# Allegro board SDHCalFEB.brd (continued)
## Routing (per net, layer and track width the routed paths; a pad name or vN(x,y) marks a point on that pad's centre or on a via; arc(x,y) is an arc through that point) (continued)
ANALOGIN24_ASIC_A3: length 49.5
  TOP w0.127: C198.2 v2(169.72,309.22) ; v2(125.58,303.37) U195.12
  GND1 w0.127: v3(126.31,303.37) v2(125.58,303.37) ; v2(169.72,309.22) v3(168.99,309.22)
  SIG3 w0.127: v3(126.31,303.37) 129.84,303.37 133.76,307.29 154.91,307.29 155.55,307.92 167.69,307.92 v3(168.99,309.22)
ANALOGIN24_ASIC_A4: length 49.4
  TOP w0.127: U260.12 v2(42.38,303.37) ; v2(87.22,309.22) C285.2
  GND1 w0.127: v3(43.12,303.37) v2(42.38,303.37) ; v2(87.22,309.22) v3(86.49,309.22)
  SIG3 w0.127: v3(43.12,303.37) 69.26,303.37 73.84,307.95 85.22,307.95 v3(86.49,309.22)
ANALOGIN24_ASIC_B1: length 52.2
  TOP w0.127: v2(286.82,223.36) U325.12 ; C372.2 v2(332.16,227.23)
  GND1 w0.127: v2(286.82,223.36) v3(287.55,223.36) ; v2(332.16,227.23) v3(332.16,226.49)
  SIG3 w0.127: v3(287.55,223.36) 290.81,226.62 313.74,226.62 314.38,227.25 331.39,227.25 v3(332.16,226.49)
ANALOGIN24_ASIC_B5: length 47.8
  TOP w0.127: v2(204.77,223.36) U390.12 ; C459.2 v2(248.01,229.21)
  GND1 w0.127: v3(205.51,223.36) v2(204.77,223.36) ; v2(248.01,229.21) v3(247.27,229.21)
  SIG3 w0.127: v3(247.27,229.21) 235.67,229.21 233.73,227.28 229.36,227.28 225.44,223.36 v3(205.51,223.36)
ANALOGIN24_ASIC_B6: length 47.8
  TOP w0.127: C546.2 v2(168,229.24) ; v2(124.75,223.36) U455.12
  GND1 w0.127: v2(168,229.24) v3(167.26,229.24) ; v2(124.75,223.36) v3(125.49,223.36)
  SIG3 w0.127: v3(167.26,229.24) 154.61,229.24 153.92,228.55 145.47,228.55 140.28,223.36 v3(125.49,223.36)
ANALOGIN24_ASIC_B7: length 47.8
  TOP w0.127: v2(44.74,223.36) U520.12 ; C633.2 v2(87.86,229.19)
  GND1 w0.127: v3(45.48,223.36) v2(44.74,223.36) ; v2(87.86,229.19) v3(87.13,229.19)
  SIG3 w0.127: v3(45.48,223.36) 62.91,223.36 68.12,228.57 73.89,228.57 74.5,229.19 v3(87.13,229.19)
ANALOGIN24_ASIC_C1: length 47.5
  TOP w0.127: v2(327.96,148.54) C720.2 ; v2(284.78,143.35) U585.12
  GND1 w0.127: v3(285.51,143.35) v2(284.78,143.35) ; v2(327.96,148.54) v3(327.23,148.54)
  SIG3 w0.127: v3(285.51,143.35) 304.82,143.35 309.37,147.9 314.81,147.9 315.45,148.54 v3(327.23,148.54)
ANALOGIN24_ASIC_C2: length 46.5
  TOP w0.127: v2(204.76,143.35) U650.12 ; v2(246.71,149.2) C807.2
  GND1 w0.127: v2(204.76,143.35) v3(205.5,143.35) ; v2(246.71,149.2) v3(245.97,149.2)
  SIG3 w0.127: v3(245.97,149.2) 245.43,149.2 245.42,149.2 234.7,149.2 234.04,148.54 224.74,148.54 219.55,143.35 v3(205.5,143.35)
ANALOGIN24_ASIC_C3: length 46.5
  TOP w0.127: C894.2 v2(166.58,149.15) ; v2(124.75,143.35) U715.12
  GND1 w0.127: v3(125.49,143.35) v2(124.75,143.35) ; v2(166.58,149.15) v3(165.84,149.15)
  SIG3 w0.127: v3(125.49,143.35) 141.57,143.35 146.76,148.54 153.75,148.54 154.36,149.15 v3(165.84,149.15)
ANALOGIN24_ASIC_C4: length 46.5
  TOP w0.127: v2(46.18,143.35) U780.12 ; C981.2 v2(86.69,149.23)
  GND1 w0.127: v2(46.18,143.35) v3(46.91,143.35) ; v2(86.69,149.23) v3(85.95,149.23)
  SIG3 w0.127: v3(85.95,149.23) 74.78,149.23 74.07,148.51 66.7,148.51 61.54,143.35 v3(46.91,143.35)
ANALOGIN24_ASIC_D1: length 49
  TOP w0.127: C1068.2 v2(328.02,68.47) ; v2(286.05,63.34) U845.12
  GND1 w0.127: v3(286.79,63.34) v2(286.05,63.34) ; v2(328.02,68.47) v3(328.75,68.47)
  SIG3 w0.127: v3(286.79,63.34) 290,66.55 314.27,66.55 316.19,68.47 v3(328.75,68.47)
ANALOGIN24_ASIC_D2: length 49
  TOP w0.127: C1155.2 v2(249.2,69.18) ; v2(206.04,63.34) U910.12
  GND1 w0.127: v3(206.78,63.34) v2(206.04,63.34) ; v2(249.2,69.18) v3(248.46,69.18)
  SIG3 w0.127: v3(206.78,63.34) 206.78,63.35 210.64,67.21 234.19,67.21 236.16,69.18 v3(248.46,69.18)
ANALOGIN24_ASIC_D3: length 49
  TOP w0.127: C1242.2 v2(169.19,69.18) ; v2(125.78,63.34) U975.12
  GND1 w0.127: v2(169.19,69.18) v3(168.45,69.18) ; v3(126.52,63.34) v2(125.78,63.34)
  SIG3 w0.127: v3(168.45,69.18) 156.65,69.18 154.71,67.23 130.43,67.23 126.53,63.34 v3(126.52,63.34)
ANALOGIN24_ASIC_D4: length 49
  TOP w0.127: v2(46,63.34) U1040.12 ; C1329.2 v2(89.2,69.19)
  GND1 w0.127: v3(46.74,63.34) v2(46,63.34) ; v2(89.2,69.19) v3(88.47,69.19)
  SIG3 w0.127: v3(88.47,69.19) 75.62,69.19 73.66,67.23 50.67,67.23 46.78,63.34 v3(46.74,63.34)
ANALOGIN25_ASIC_A1: length 8.9
  TOP w0.127: U65.13 282.6,302.72 281.49,303.83 278.26,303.83 276.54,305.55 C25.2
ANALOGIN25_ASIC_A2: length 8.9
  TOP w0.127: C112.2 196.76,305.07 198.48,303.35 202.31,303.35 202.95,302.72 U130.13
ANALOGIN25_ASIC_A3: length 10.1
  TOP w0.127: U195.13 121.59,302.72 119.96,304.34 117.37,304.34 115.51,306.21 C199.2
ANALOGIN25_ASIC_A4: length 27.7
  TOP w0.127: U260.13 36.48,302.72 C286.2
ANALOGIN25_ASIC_B1: length 10.7
  TOP w0.127: U325.13 282.39,222.71 281.08,224.03 278.99,224.03 276.69,226.34 C373.2
ANALOGIN25_ASIC_B5: length 8.8
  TOP w0.127: C460.2 196.68,225.37 198.04,224 201.19,224 202.49,222.71 203.58,222.71 U390.13
ANALOGIN25_ASIC_B6: length 10.3
  TOP w0.127: U455.13 123.57,222.71 122.3,222.71 121.01,224 117.91,224 115.5,226.41 C547.2
ANALOGIN25_ASIC_B7: length 24.5
  TOP w0.127: U520.13 36.56,222.71 24.19,235.08 C634.2
ANALOGIN25_ASIC_C1: length 9.4
  TOP w0.127: U585.13 282.06,142.7 280.57,144.2 277.8,144.2 276.23,145.77 C721.2
ANALOGIN25_ASIC_C2: length 9.2
  TOP w0.127: U650.13 202.23,142.7 200.79,144.15 197.56,144.15 196.24,145.46 C808.2
ANALOGIN25_ASIC_C3: length 9.1
  TOP w0.127: C895.2 116.49,145.36 117.6,144.25 120.37,144.25 121.92,142.7 U715.13
ANALOGIN25_ASIC_C4: length 24
  TOP w0.127: U780.13 34.22,142.7 23.86,153.06 C982.2
ANALOGIN25_ASIC_D1: length 9
  TOP w0.127: U845.13 282.55,62.69 280.8,64.44 276.73,64.44 C1069.2
ANALOGIN25_ASIC_D2: length 9.4
  TOP w0.127: U910.13 202.11,62.69 200.51,64.29 197.26,64.29 196.13,65.42 C1156.2
ANALOGIN25_ASIC_D3: length 9.2
  TOP w0.127: C1243.2 116.4,65.44 117.47,64.36 120.68,64.36 122.35,62.69 U975.13
ANALOGIN25_ASIC_D4: length 10.3
  TOP w0.127: U1040.13 36.73,62.69 35.67,63.75 C1330.2
ANALOGIN26_ASIC_A1: length 2.5
  TOP w0.127: U65.14 281.86,302.07 281.72,302.21 C26.2
ANALOGIN26_ASIC_A2: length 2.3
  TOP w0.127: U130.14 202.59,302.07 C113.2
ANALOGIN26_ASIC_A3: length 5.1
  TOP w0.127: C200.2 119.75,302.98 120.66,302.07 U195.14
ANALOGIN26_ASIC_A4: length 15.1
  TOP w0.127: C287.2 34.34,302.07 U260.14
ANALOGIN26_ASIC_B1: length 4.3
  TOP w0.127: U325.14 281.29,222.06 280.51,221.28 C374.2
ANALOGIN26_ASIC_B5: length 3.9
  TOP w0.127: U390.14 202.59,222.06 202.43,222.22 C461.2
ANALOGIN26_ASIC_B6: length 3.8
  TOP w0.127: C548.2 121.01,222.53 121.48,222.06 U455.14
ANALOGIN26_ASIC_B7: length 27.5
  TOP w0.127: C635.2 21.52,235.1 34.57,222.06 U520.14
ANALOGIN26_ASIC_C1: length 3.9
  TOP w0.127: C722.2 282.6,142.06 282.6,142.05 U585.14
ANALOGIN26_ASIC_C2: length 4
  TOP w0.127: C809.2 200.84,142.31 201.1,142.05 U650.14
ANALOGIN26_ASIC_C3: length 4
  TOP w0.127: U715.14 121.2,142.05 120.96,142.29 C896.2
ANALOGIN26_ASIC_C4: length 27
  TOP w0.127: C983.2 21.17,153.03 32.15,142.05 U780.14
ANALOGIN26_ASIC_D1: length 3.9
  TOP w0.127: U845.14 282.23,62.04 282.03,62.24 C1070.2
ANALOGIN26_ASIC_D2: length 3.6
  TOP w0.127: C1157.2 201.08,62.4 201.43,62.04 U910.14
ANALOGIN26_ASIC_D3: length 3.4
  TOP w0.127: C1244.2 121.35,62.32 121.63,62.04 U975.14
ANALOGIN26_ASIC_D4: length 10.2
  TOP w0.127: C1331.2 35.94,61.21 36.77,62.04 U1040.14
ANALOGIN27_ASIC_A1: length 39.3
  TOP w0.127: v2(284.77,301.42) 283.59,301.42 U65.15 ; C27.2 v2(319.29,304.95)
  GND1 w0.127: v2(319.29,304.95) v3(319.29,304.21) ; v3(285.51,301.42) v2(284.77,301.42)
  SIG3 w0.127: v3(319.29,304.21) 316.08,304.21 314.99,305.31 311.84,305.31 307.95,301.42 v3(285.51,301.42)
ANALOGIN27_ASIC_A2: length 58.2
  TOP w0.127: C114.2 v2(253.5,309.23) ; v2(204.8,301.42) U130.15
  GND1 w0.127: v3(204.06,301.42) v2(204.8,301.42) ; v2(253.5,309.23) v3(254.72,309.23)
  SIG3 w0.127: v3(204.06,301.42) 226.74,301.42 231.22,305.89 235.3,305.89 235.97,306.55 252.04,306.55 v3(254.72,309.23)
ANALOGIN27_ASIC_A3: length 54.2
  TOP w0.127: C201.2 v2(173.56,309.23) ; v2(124.75,301.42) U195.15
  GND1 w0.127: v2(173.56,309.23) v3(172.82,309.23) ; v3(125.49,301.42) v2(124.75,301.42)
  SIG3 w0.127: v3(172.82,309.23) 170.29,306.7 155.7,306.7 154.97,305.97 149.58,305.97 145.03,301.42 v3(125.49,301.42)
ANALOGIN27_ASIC_A4: length 55.5
  TOP w0.127: C288.2 v2(93.69,309.93) ; v2(44.74,301.42) U260.15
  GND1 w0.127: v2(93.69,309.93) v3(93.69,309.19) ; v3(45.48,301.42) v2(44.74,301.42)
  SIG3 w0.127: v3(45.48,301.42) 46.56,301.42 47.17,300.81 73.99,300.81 75.98,302.8 84.69,302.8 91.08,309.19 v3(93.69,309.19)
ANALOGIN27_ASIC_B1: length 39
  TOP w0.127: C375.2 v2(320.09,225.27) ; v2(284.77,221.41) U325.15
  GND1 w0.127: v2(284.77,221.41) v3(285.51,221.41) ; v3(319.35,225.27) v2(320.09,225.27)
  SIG3 w0.127: v3(285.51,221.41) 302.41,221.41 305.03,224.03 313.72,224.03 314.35,224.66 318.74,224.66 v3(319.35,225.27)
ANALOGIN27_ASIC_B5: length 56.3
  TOP w0.127: C462.2 v2(255.42,229.24) ; v2(204.76,221.41) U390.15
  GND1 w0.127: v3(205.5,221.41) v2(204.76,221.41) ; v2(255.42,229.24) v3(254.69,229.24)
  SIG3 w0.127: v3(254.69,229.24) 253.37,227.91 236.22,227.91 234.71,226.4 234.71,226.37 234.37,226.04 234.34,226.04 234.26,225.96 230.33,225.96 225.78,221.41 v3(205.5,221.41)
ANALOGIN27_ASIC_B6: length 61.5
  TOP w0.127: v2(124.75,221.41) U455.15 ; C549.2 v2(176.03,237.24)
  GND1 w0.127: v2(176.03,237.24) v3(176.03,236.5) ; v2(124.75,221.41) v3(125.49,221.41)
  SIG3 w0.127: v3(125.49,221.41) 142.57,221.41 148.44,227.28 154.36,227.28 155.02,227.94 167.36,227.94 171.2,231.78 173.1,231.78 176.03,234.7 v3(176.03,236.5)
ANALOGIN27_ASIC_B7: length 56.2
  TOP w0.127: v2(44.74,221.41) U520.15 ; v2(95.55,229.26) C636.2
  GND1 w0.127: v3(45.48,221.41) v2(44.74,221.41) ; v2(95.55,229.26) v3(94.82,229.26)
  SIG3 w0.127: v3(94.82,229.26) 91.24,229.26 88.52,226.54 74.52,226.54 74.51,226.53 74.31,226.53 73.69,225.91 67.64,225.91 63.14,221.41 v3(45.48,221.41)
ANALOGIN27_ASIC_C1: length 40.1
  TOP w0.127: C723.2 v2(321.34,144.66) ; v2(284.78,141.4) U585.15
  GND1 w0.127: v2(284.78,141.4) v3(285.51,141.4) ; v2(321.34,144.66) v3(320.6,144.66)
  SIG3 w0.127: v3(285.51,141.4) 306.96,141.4 309.58,144.02 313.77,144.02 314.41,144.66 v3(320.6,144.66)
ANALOGIN27_ASIC_C2: length 55
  TOP w0.127: C810.2 v2(253.75,150.57) ; v2(206.2,141.4) U650.15
  GND1 w0.127: v2(206.2,141.4) v3(206.93,141.4) ; v2(253.75,150.57) v3(253.01,150.57)
  SIG3 w0.127: v3(253.01,150.57) 250.24,147.8 236.76,147.8 236.74,147.82 234.61,147.82 234.12,147.33 228.76,147.33 222.83,141.4 v3(206.93,141.4)
ANALOGIN27_ASIC_C3: length 54.8
  TOP w0.127: v2(124.75,141.4) U715.15 ; C897.2 v2(174.14,149.28)
  GND1 w0.127: v3(125.49,141.4) v2(124.75,141.4) ; v2(174.14,149.28) v3(173.41,149.28)
  SIG3 w0.127: v3(173.41,149.28) 170.92,149.28 168.2,146.56 153.57,146.56 152.98,145.97 149.4,145.97 144.83,141.4 v3(125.49,141.4)
ANALOGIN27_ASIC_C4: length 55.3
  TOP w0.127: v2(46.18,141.4) U780.15 ; C984.2 v2(94.08,150.67)
  GND1 w0.127: v2(46.18,141.4) v3(46.91,141.4) ; v2(94.08,150.67) v3(93.34,150.67)
  SIG3 w0.127: v3(93.34,150.67) 90.49,147.82 75.58,147.82 74.98,147.22 69.49,147.22 63.68,141.4 v3(46.91,141.4)
ANALOGIN27_ASIC_D1: length 42.3
  TOP w0.127: v2(286.28,61.39) U845.15 ; C1071.2 v2(323.55,64.58)
  GND1 w0.127: v2(323.55,64.58) v3(322.81,64.58) ; v2(286.28,61.39) v3(287.02,61.39)
  SIG3 w0.127: v3(287.02,61.39) 315.06,61.39 315.75,62.08 320.3,62.08 v3(322.81,64.58)
ANALOGIN27_ASIC_D2: length 45.5
  TOP w0.127: v2(204.76,61.39) U910.15 ; C1158.2 246.04,66.74 v2(245.9,66.6)
  GND1 w0.127: v2(245.9,66.6) v3(245.16,66.6) ; v3(205.5,61.39) v2(204.76,61.39)
  SIG3 w0.127: v3(245.16,66.6) 232.61,66.6 227.4,61.39 v3(205.5,61.39)
ANALOGIN27_ASIC_D3: length 42.9
  TOP w0.127: C1245.2 v2(163.25,66.79) ; v2(124.75,61.39) U975.15
  GND1 w0.127: v2(124.75,61.39) 124.76,61.39 125.45,61.39 v3(125.49,61.39) ; v2(163.25,66.79) v3(162.72,66.27)
  SIG3 w0.127: v3(162.72,66.27) 161.76,65.3 154.23,65.3 152.65,63.73 147.04,63.73 144.7,61.39 v3(125.49,61.39)
ANALOGIN27_ASIC_D4: length 42.4
  TOP w0.127: v2(44.74,61.39) U1040.15 ; C1332.2 v2(82.73,66.76)
  GND1 w0.127: v2(44.74,61.39) v3(45.48,61.39) ; v2(82.73,66.76) 82.3,66.76 82.16,66.61 v3(82.01,66.61)
  SIG3 w0.127: v3(82.01,66.61) 73.85,66.61 73.18,65.94 70.87,65.94 66.32,61.39 v3(45.48,61.39)
ANALOGIN28_ASIC_A1: length 42.1
  TOP w0.127: v2(282.41,300.77) U65.16 ; C28.2 v2(319.99,301.42)
  GND1 w0.127: v2(319.99,301.42) v3(319.26,301.42) ; v3(281.67,300.77) v2(282.41,300.77)
  SIG3 w0.127: v3(281.67,300.77) 311.8,300.77 312.47,300.1 315.32,300.1 316.63,301.42 v3(319.26,301.42)
ANALOGIN28_ASIC_A2: length 44.2
  TOP w0.127: v2(202.4,300.77) U130.16 ; C115.2 v2(243.04,302.92)
  GND1 w0.127: v2(243.04,302.92) v3(243.04,302.18) ; v3(203.14,300.77) v2(202.4,300.77)
  SIG3 w0.127: v3(243.04,302.18) 242.3,301.45 235.66,301.45 234.98,300.77 v3(203.14,300.77)
ANALOGIN28_ASIC_A3: length 45.8
  TOP w0.127: v2(122.39,300.77) U195.16 ; C202.2 v2(163.28,303.01)
  GND1 w0.127: v3(121.65,300.77) v2(122.39,300.77) ; v2(163.28,303.01) v3(163.28,302.27)
  SIG3 w0.127: v3(121.65,300.77) 154.44,300.77 155.09,301.42 162.43,301.42 v3(163.28,302.27)
ANALOGIN28_ASIC_A4: length 42.7
  TOP w0.127: C289.2 v2(80.68,300.7) ; v2(42.32,300.77) U260.16
  GND1 w0.127: v3(43.05,300.77) v2(42.32,300.77) ; v2(80.68,300.7) v3(80.68,301.43)
  SIG3 w0.127: v3(43.05,300.77) 46.04,300.77 47.32,299.49 78.74,299.49 v3(80.68,301.43)
ANALOGIN28_ASIC_B1: length 40.4
  TOP w0.127: v2(282.41,220.76) U325.16 ; C376.2 v2(319.96,221.39)
  GND1 w0.127: v2(319.96,221.39) v3(319.23,221.39) ; v2(282.41,220.76) v3(283.15,220.76)
  SIG3 w0.127: v3(319.23,221.39) 318.6,220.76 315.76,220.76 315.18,220.19 309.38,220.19 308.81,220.76 v3(283.15,220.76)
ANALOGIN28_ASIC_B5: length 43.3
  TOP w0.127: C463.2 v2(241.43,225.84) ; v2(202.4,220.76) U390.16
  GND1 w0.127: v3(203.14,220.76) v2(202.4,220.76) ; v2(241.43,225.84) v3(240.69,225.84)
  SIG3 w0.127: v3(240.69,225.84) 240.09,225.23 236.03,225.23 231.55,220.76 v3(203.14,220.76)
ANALOGIN28_ASIC_B6: length 43.2
  TOP w0.127: C550.2 v2(161.42,225.63) ; v2(122.39,220.76) U455.16
  GND1 w0.127: v2(161.42,225.63) v3(160.68,225.63) ; v2(122.39,220.76) v3(123.13,220.76)
  SIG3 w0.127: v3(160.68,225.63) 160.3,225.25 152.48,225.25 151.94,224.71 148.54,224.71 144.58,220.76 v3(123.13,220.76)
ANALOGIN28_ASIC_B7: length 43.1
  TOP w0.127: v2(42.38,220.76) U520.16 ; C637.2 v2(80.98,225.45)
  GND1 w0.127: v2(80.98,225.45) v3(80.24,225.45) ; v2(42.38,220.76) v3(43.12,220.76)
  SIG3 w0.127: v3(43.12,220.76) 66.05,220.76 69.98,224.69 74.8,224.69 75.57,225.45 v3(80.24,225.45)
ANALOGIN28_ASIC_C1: length 41
  TOP w0.127: C724.2 v2(320.65,140.67) ; v2(282.41,140.75) U585.16
  GND1 w0.127: v3(283.15,140.75) v2(282.41,140.75) ; v3(319.92,140.76) 320.09,140.76 320.19,140.67 v2(320.65,140.67)
  SIG3 w0.127: v3(319.92,140.76) 315.16,140.76 314.5,140.11 308.84,140.11 308.19,140.75 v3(283.15,140.75)
ANALOGIN28_ASIC_C2: length 44
  TOP w0.127: C811.2 v2(242.12,145.9) ; v2(202.4,140.75) U650.16
  GND1 w0.127: v2(242.12,145.9) v3(241.38,145.9) ; v3(203.14,140.75) v2(202.4,140.75)
  SIG3 w0.127: v3(203.14,140.75) 231.53,140.75 232.38,141.6 235,141.6 235.81,142.42 237.9,142.42 v3(241.38,145.9)
ANALOGIN28_ASIC_C3: length 43.2
  TOP w0.127: v2(122.39,140.75) U715.16 ; C898.2 v2(161.44,145.62)
  GND1 w0.127: v3(123.13,140.75) v2(122.39,140.75) ; v2(161.44,145.62) v3(160.71,145.62)
  SIG3 w0.127: v3(123.13,140.75) 145.5,140.75 149.4,144.65 153.85,144.65 154.48,145.29 159.38,145.29 159.72,145.62 v3(160.71,145.62)
ANALOGIN28_ASIC_C4: length 41.5
  TOP w0.127: v2(42.38,140.75) U780.16 ; C985.2 v2(79.71,145.62)
  GND1 w0.127: v3(43.12,140.75) v2(42.38,140.75) ; v2(79.71,145.62) v3(78.97,145.62)
  SIG3 w0.127: v3(78.97,145.62) 78.71,145.36 74.57,145.36 73.86,144.65 69.24,144.65 65.34,140.75 v3(43.12,140.75)
ANALOGIN28_ASIC_D1: length 42.5
  TOP w0.127: v2(282.41,60.74) U845.16 ; C1072.2 v2(322.2,59.19)
  GND1 w0.127: v2(322.2,59.19) v3(321.46,59.19) ; v3(283.15,60.74) v2(282.41,60.74)
  SIG3 w0.127: v3(321.46,59.19) 319.65,59.19 319.43,59.41 287.96,59.41 286.63,60.74 v3(283.15,60.74)
ANALOGIN28_ASIC_D2: length 41.5
  TOP w0.127: C1159.2 v2(240.86,62.18) ; v2(202.4,60.74) U910.16
  GND1 w0.127: v2(240.86,62.18) v3(240.86,61.44) ; v2(202.4,60.74) v3(203.14,60.74)
  SIG3 w0.127: v3(203.14,60.74) 234.88,60.74 235.59,61.44 v3(240.86,61.44)
ANALOGIN28_ASIC_D3: length 41.7
  TOP w0.127: v2(122.39,60.74) U975.16 ; C1246.2 v2(160.87,62.03)
  GND1 w0.127: v2(160.87,62.03) v3(160.87,61.29) ; v3(123.13,60.74) v2(122.39,60.74)
  SIG3 w0.127: v3(123.13,60.74) 155.05,60.74 155.7,61.39 160.18,61.39 160.28,61.29 v3(160.87,61.29)
ANALOGIN28_ASIC_D4: length 41.1
  TOP w0.127: C1333.2 v2(80.87,62.03) ; v2(42.38,60.74) U1040.16
  GND1 w0.127: v2(80.87,62.03) v3(80.14,62.03) ; v3(43.12,60.74) v2(42.38,60.74)
  SIG3 w0.127: v3(80.14,62.03) 79.48,61.37 75.84,61.37 75.22,60.74 v3(43.12,60.74)
ANALOGIN29_ASIC_A1: length 45
  TOP w0.127: U65.17 283.6,300.13 v2(286.84,300.13) ; C29.2 v2(327.04,299.2)
  GND1 w0.127: v3(287.58,300.13) v2(286.84,300.13) ; v2(327.04,299.2) v3(326.31,299.2)
  SIG3 w0.127: v3(287.58,300.13) 288.31,299.39 325.12,299.39 325.31,299.2 v3(326.31,299.2)
ANALOGIN29_ASIC_A2: length 50.9
  TOP w0.127: C116.2 251.42,302.96 251.43,302.95 v2(251.43,302.95) ; v2(204.76,300.12) U130.17
  GND1 w0.127: v2(251.43,302.95) 251.43,302.94 v3(251.43,302.21) ; v2(204.76,300.12) v3(205.5,300.12)
  SIG3 w0.127: v3(205.5,300.12) 206.07,299.55 248.77,299.55 v3(251.43,302.21)
ANALOGIN29_ASIC_A3: length 49
  TOP w0.127: v2(125.63,300.12) U195.17 ; C203.2 v2(169.46,302.96)
  GND1 w0.127: v2(169.46,302.96) v3(169.46,302.22) ; v3(126.36,300.12) v2(125.63,300.12)
  SIG3 w0.127: v3(126.36,300.12) 126.94,299.55 166.78,299.55 v3(169.46,302.22)
ANALOGIN29_ASIC_A4: length 50.9
  TOP w0.127: C290.2 v2(89.71,305.6) ; v2(44.74,300.12) U260.17
  GND1 w0.127: v2(89.71,305.6) v3(88.98,305.6) ; v3(45.48,300.12) v2(44.74,300.12)
  SIG3 w0.127: v3(88.98,305.6) 81.62,298.25 47.35,298.25 v3(45.48,300.12)
ANALOGIN29_ASIC_B1: length 45
  TOP w0.127: C377.2 v2(327.13,219.18) ; v2(285.72,220.11) U325.17
  GND1 w0.127: v2(285.72,220.11) v3(286.46,220.11) ; v2(327.13,219.18) v3(326.39,219.18)
  SIG3 w0.127: v3(286.46,220.11) 287.11,219.46 318.46,219.46 318.74,219.18 v3(326.39,219.18)
ANALOGIN29_ASIC_B5: length 47.7
  TOP w0.127: C464.2 v2(247.76,225.76) ; v2(206.45,220.11) U390.17
  GND1 w0.127: v2(247.76,225.76) v3(247.02,225.76) ; v3(207.19,220.11) v2(206.45,220.11)
  SIG3 w0.127: v3(247.02,225.76) 244.05,222.79 238.05,222.79 237.11,221.84 236.19,221.84 235.13,220.78 232.41,220.78 231.74,220.11 v3(207.19,220.11)
ANALOGIN29_ASIC_B6: length 47.7
  TOP w0.127: v2(126.82,220.11) U455.17 ; C551.2 v2(168,225.58)
  GND1 w0.127: v2(126.82,220.11) v3(127.56,220.11) ; v2(168,225.58) v3(167.26,225.58)
  SIG3 w0.127: v3(127.56,220.11) 151.55,220.11 152.28,220.84 154.39,220.84 156.26,222.71 164.38,222.71 v3(167.26,225.58)
ANALOGIN29_ASIC_B7: length 51.1
  TOP w0.127: C638.2 v2(91.44,225.45) ; v2(46.18,220.11) U520.17
  GND1 w0.127: v2(91.44,225.45) v3(90.7,225.45) ; v2(46.18,220.11) v3(46.91,220.11)
  SIG3 w0.127: v3(90.7,225.45) 87.96,222.71 75.41,222.71 72.81,220.11 v3(46.91,220.11)
ANALOGIN29_ASIC_C1: length 50
  TOP w0.127: C725.2 v2(332.18,139.17) ; v2(286.31,140.1) U585.17
  GND1 w0.127: v3(287.05,140.1) v2(286.31,140.1) ; v2(332.18,139.17) v3(331.44,139.17)
  SIG3 w0.127: v3(287.05,140.1) 307.68,140.1 308.28,139.5 321.37,139.5 321.42,139.54 330.52,139.54 330.9,139.17 v3(331.44,139.17)
ANALOGIN29_ASIC_C2: length 51.9
  TOP w0.127: C812.2 v2(252.17,145.93) ; v2(204.76,140.1) U650.17
  GND1 w0.127: v2(252.17,145.93) v3(251.43,145.93) ; v3(205.5,140.1) v2(204.76,140.1)
  SIG3 w0.127: v3(205.5,140.1) 231.95,140.1 232.67,140.83 237.17,140.83 237.67,141.33 246.83,141.33 v3(251.43,145.93)
ANALOGIN29_ASIC_C3: length 51
  TOP w0.127: v2(126.59,140.1) U715.17 ; C899.2 v2(171.37,145.52)
  GND1 w0.127: v3(170.64,145.52) v2(171.37,145.52) ; v3(127.33,140.1) v2(126.59,140.1)
  SIG3 w0.127: v3(170.64,145.52) 167.81,142.7 156.24,142.7 154.51,140.97 147.98,140.97 147.11,140.1 v3(127.33,140.1)
ANALOGIN29_ASIC_C4: length 49.4
  TOP w0.127: C986.2 v2(90,145.55) ; v2(44.74,140.1) U780.17
  GND1 w0.127: v2(90,145.55) v3(89.25,145.55) ; v3(45.48,140.1) v2(44.74,140.1)
  SIG3 w0.127: v3(45.48,140.1) 67.63,140.1 68.28,140.74 76.45,140.74 78.44,142.72 86.43,142.72 v3(89.25,145.55)
ANALOGIN29_ASIC_D1: length 46.4
  TOP w0.127: C1073.2 v2(328.17,58.25) ; v2(284.78,60.09) U845.17
  GND1 w0.127: v2(284.78,60.09) v3(285.51,60.09) ; v2(328.17,58.25) v3(327.43,58.25)
  SIG3 w0.127: v3(285.51,60.09) 287.44,58.17 317.32,58.17 317.41,58.25 v3(327.43,58.25)
ANALOGIN29_ASIC_D2: length 47.4
  TOP w0.127: C1160.2 v2(247.49,62) ; v2(206.43,60.09) U910.17
  GND1 w0.127: v3(207.16,60.09) v2(206.43,60.09) ; v2(247.49,62) v3(246.75,62)
  SIG3 w0.127: v3(207.16,60.09) 209.24,58.01 235.41,58.01 236.96,59.56 244.31,59.56 v3(246.75,62)
ANALOGIN29_ASIC_D3: length 48.1
  TOP w0.127: v2(169.39,62.05) C1247.2 ; v2(125.6,60.09) U975.17
  GND1 w0.127: v2(169.39,62.05) v3(168.87,61.53) ; v3(126.34,60.09) v2(125.6,60.09)
  SIG3 w0.127: v3(126.34,60.09) 126.99,59.44 166.78,59.44 v3(168.87,61.53)
ANALOGIN29_ASIC_D4: length 48.1
  TOP w0.127: C1334.2 v2(89.41,62.05) ; v2(45.87,60.09) U1040.17
  GND1 w0.127: v2(45.87,60.09) v3(46.61,60.09) ; v2(89.41,62.05) v3(88.67,62.05)
  SIG3 w0.127: v3(46.61,60.09) 47.18,59.52 86.14,59.52 v3(88.67,62.05)
ANALOGIN30_ASIC_A1: length 14
  TOP w0.127: C30.2 270.62,299.95 272.1,298.48 280.42,298.48 281.41,299.47 U65.18
ANALOGIN30_ASIC_A2: length 15.3
  TOP w0.127: U130.18 201.48,299.47 200.43,298.42 192.01,298.42 C117.2
ANALOGIN30_ASIC_A3: length 15.2
  TOP w0.127: C204.2 109.73,300.51 111.84,298.4 118.77,298.4 119.84,299.47 U195.18
ANALOGIN30_ASIC_B1: length 13
  TOP w0.127: C378.2 271.26,219.73 271.53,219.46 U325.18
ANALOGIN30_ASIC_B5: length 15.7
  TOP w0.127: U390.18 199.32,219.46 198.17,218.31 191.41,218.31 189.74,219.99 C465.2
ANALOGIN30_ASIC_B6: length 15.3
  TOP w0.127: C552.2 109.75,220.66 112.15,218.26 118.69,218.26 119.89,219.46 U455.18
ANALOGIN30_ASIC_C1: length 15.4
  TOP w0.127: C726.2 272.31,138.15 278.66,138.15 279.96,139.45 U585.18
ANALOGIN30_ASIC_C2: length 15.7
  TOP w0.127: U650.18 200.69,139.45 199.52,138.28 191.54,138.28 189.76,140.05 C813.2
ANALOGIN30_ASIC_C3: length 15.3
  TOP w0.127: U715.18 119.76,139.45 118.62,138.3 112.09,138.3 109.78,140.61 C900.2
ANALOGIN30_ASIC_D1: length 15.4
  TOP w0.127: C1074.2 269.78,60.66 272.22,58.22 278.82,58.22 280.04,59.44 U845.18
ANALOGIN30_ASIC_D2: length 15.2
  TOP w0.127: U910.18 200.08,59.44 199.14,58.5 191.91,58.5 189.75,60.66 C1161.2
ANALOGIN30_ASIC_D3: length 15.2
  TOP w0.127: C1248.2 109.78,60.66 112.1,58.34 119.33,58.34 120.42,59.44 U975.18
ANALOGIN31_ASIC_A1: length 20.7
  TOP w0.127: U65.19 281.78,298.82 280.95,297.99 268.61,297.99 264.81,301.79 C31.2
ANALOGIN31_ASIC_A2: length 23.4
  TOP w0.127: C118.2 183.18,302.63 184.04,301.78 185.27,301.78 189.23,297.81 200.61,297.81 201.61,298.82 U130.19
ANALOGIN31_ASIC_A3: length 24.6
  TOP w0.127: C205.2 102.53,303.21 104.9,300.84 106.15,300.84 109.09,297.89 119.13,297.89 120.05,298.82 U195.19
ANALOGIN31_ASIC_A4: length 12.5
  TOP w0.127: U260.19 43.56,298.82 C292.2
ANALOGIN31_ASIC_B1: length 22.5
  TOP w0.127: U325.19 264.37,218.81 262.56,220.63 C379.2
ANALOGIN31_ASIC_B5: length 23.5
  TOP w0.127: C466.2 185.82,220.32 186.59,220.32 189.1,217.81 198.98,217.81 199.99,218.81 U390.19
ANALOGIN31_ASIC_B6: length 23.6
  TOP w0.127: C553.2 102.87,223.43 105.44,220.85 106.17,220.85 109.32,217.7 119.05,217.7 120.16,218.81 U455.19
ANALOGIN31_ASIC_B7: length 14.8
  TOP w0.127: C640.2 28.75,218.81 U520.19
ANALOGIN31_ASIC_C1: length 23.3
  TOP w0.127: C727.2 263.47,143.33 269.13,137.67 279.17,137.67 280.3,138.8 U585.19
ANALOGIN31_ASIC_C2: length 23.5
  TOP w0.127: C814.2 183.62,143.3 189.13,137.79 200.03,137.79 201.03,138.8 U650.19
ANALOGIN31_ASIC_C3: length 23.7
  TOP w0.127: C901.2 103.71,143.43 109.37,137.77 119.1,137.77 120.13,138.8 U715.19
ANALOGIN31_ASIC_C4: length 14
  TOP w0.127: C988.2 29.62,138.8 U780.19
ANALOGIN31_ASIC_D1: length 23.5
  TOP w0.127: C1075.2 262.98,63.32 265.44,60.86 266.52,60.86 269.7,57.68 279.45,57.68 280.56,58.79 U845.19
ANALOGIN31_ASIC_D2: length 23.1
  TOP w0.127: C1162.2 183.02,63.12 184.95,61.19 185.7,61.19 188.9,57.99 199.59,57.99 200.39,58.79 U910.19
ANALOGIN31_ASIC_D3: length 23.4
  TOP w0.127: U975.19 120.77,58.79 119.61,57.63 109.25,57.63 105.8,61.09 105.16,61.09 103,63.25 C1249.2
ANALOGIN31_ASIC_D4: length 12.9
  TOP w0.127: U1040.19 38.06,58.79 34.34,55.06 C1336.2
ANALOGIN32_ASIC_A1: length 18.6
  TOP w0.127: C32.2 265.95,298.91 267.45,297.41 281.36,297.41 282.12,298.17 U65.20
ANALOGIN32_ASIC_A2: length 18.6
  TOP w0.127: C119.2 187.62,297.31 200.96,297.31 201.83,298.17 U130.20
ANALOGIN32_ASIC_A3: length 20.1
  TOP w0.127: C206.2 105.68,298.97 107.26,297.38 119.99,297.38 120.78,298.17 U195.20
ANALOGIN32_ASIC_B1: length 22.8
  TOP w0.127: U325.20 262.31,218.16 C380.2
ANALOGIN32_ASIC_B5: length 18.6
  TOP w0.127: U390.20 200.91,218.16 200.1,217.35 188.21,217.35 186.62,218.94 C467.2
ANALOGIN32_ASIC_B6: length 18.7